# KiCad board first_keyboard.kicad_pcb (continued)
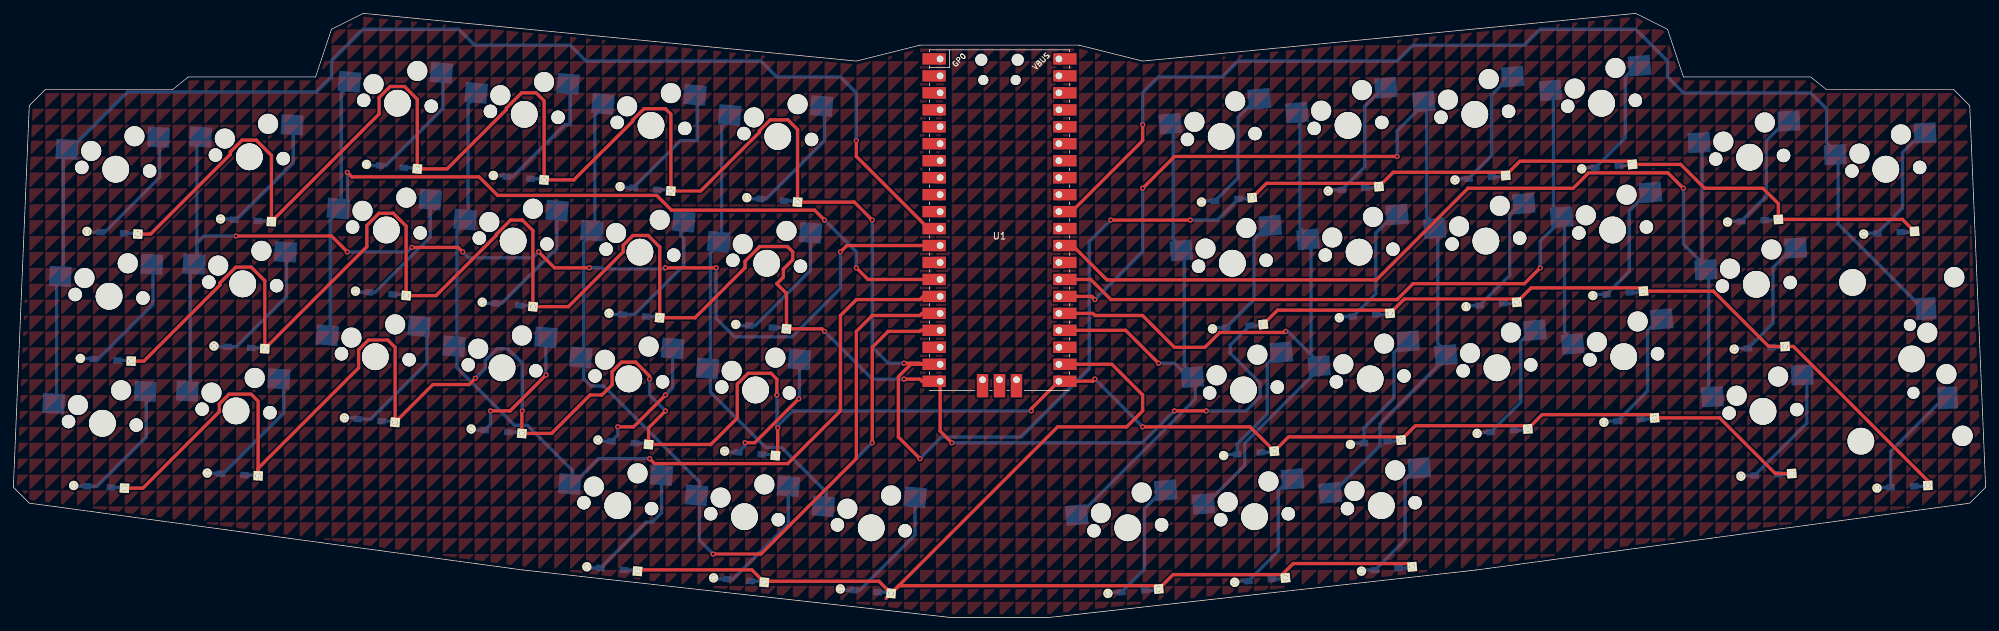
[diagram p0: board, top side]
## Copper pours and planes (outline as drawn; the poured copper is in the pictures) (continued)
(no net) on Top, Bottom: 290.51,71.44 290.51,69.06 292.89,71.44
(no net) on Top, Bottom: 169.07,4.76 169.07,2.38 171.45,4.76
(no net) on Top, Bottom: 69.06,28.57 69.06,26.19 71.44,28.57
(no net) on Top, Bottom: 104.77,-30.96 104.77,-33.34 107.16,-30.96
(no net) on Top, Bottom: 130.97,69.06 130.97,66.68 133.35,69.06
(no net) on Top, Bottom: 180.98,-33.34 180.98,-35.72 183.36,-33.34
(no net) on Top, Bottom: 240.51,114.3 240.51,111.92 242.89,114.3
(no net) on Top, Bottom: 197.64,135.73 197.64,133.35 200.02,135.73
(no net) on Top, Bottom: 119.06,80.96 119.06,78.58 121.44,80.96
(no net) on Top, Bottom: 211.93,104.78 211.93,102.39 214.31,104.78
(no net) on Top, Bottom: 266.7,45.24 266.7,42.86 269.08,45.24
(no net) on Top, Bottom: 14.29,57.15 14.29,54.77 16.67,57.15
(no net) on Top, Bottom: 123.83,9.53 123.83,7.14 126.21,9.53
(no net) on Top, Bottom: 157.16,66.68 157.16,64.29 159.54,66.68
(no net) on Top, Bottom: 252.41,69.06 252.41,66.68 254.79,69.06
(no net) on Top, Bottom: 145.26,-23.81 145.26,-26.19 147.64,-23.81
(no net) on Top, Bottom: 104.77,140.49 104.77,138.11 107.16,140.49
(no net) on Top, Bottom: 252.41,78.58 252.41,76.2 254.79,78.58
(no net) on Top, Bottom: 283.37,61.91 283.37,59.53 285.75,61.91
(no net) on Top, Bottom: 292.89,71.44 292.89,69.06 295.27,71.44
(no net) on Top, Bottom: 85.73,35.72 85.73,33.34 88.11,35.72
(no net) on Top, Bottom: 9.53,16.67 9.53,14.29 11.91,16.67
(no net) on Top, Bottom: 145.26,69.06 145.26,66.68 147.64,69.06
(no net) on Top, Bottom: 300.04,66.68 300.04,64.29 302.42,66.68
(no net) on Top, Bottom: 71.44,147.64 71.44,145.26 73.82,147.64
(no net) on Top, Bottom: 100.01,59.53 100.01,57.15 102.39,59.53
(no net) on Top, Bottom: 276.22,69.06 276.22,66.68 278.61,69.06
(no net) on Top, Bottom: 128.59,38.1 128.59,35.72 130.97,38.1
(no net) on Top, Bottom: 90.49,95.25 90.49,92.87 92.87,95.25
(no net) on Top, Bottom: 152.4,-4.76 152.4,-7.14 154.78,-4.76
(no net) on Top, Bottom: 152.4,26.19 152.4,23.81 154.78,26.19
(no net) on Top, Bottom: 157.16,0 157.16,-2.38 159.54,0
(no net) on Top, Bottom: 176.21,109.54 176.21,107.16 178.59,109.54
(no net) on Top, Bottom: 219.07,40.48 219.07,38.1 221.46,40.48
(no net) on Top, Bottom: 197.64,-23.81 197.64,-26.19 200.02,-23.81
(no net) on Top, Bottom: 166.69,0 166.69,-2.38 169.07,0
(no net) on Top, Bottom: 57.15,109.54 57.15,107.16 59.53,109.54
(no net) on Top, Bottom: 33.34,-9.53 33.34,-11.91 35.72,-9.53
(no net) on Top, Bottom: 73.82,76.2 73.82,73.82 76.2,76.2
(no net) on Top, Bottom: 97.63,64.29 97.63,61.91 100.01,64.29
(no net) on Top, Bottom: 252.41,38.1 252.41,35.72 254.79,38.1
(no net) on Top, Bottom: 173.83,42.86 173.83,40.48 176.21,42.86
(no net) on Top, Bottom: 7.14,-26.19 7.14,-28.57 9.53,-26.19
(no net) on Top, Bottom: 214.31,-26.19 214.31,-28.57 216.69,-26.19
(no net) on Top, Bottom: 245.27,114.3 245.27,111.92 247.65,114.3
(no net) on Top, Bottom: 123.83,-33.34 123.83,-35.72 126.21,-33.34
(no net) on Top, Bottom: 107.16,-23.81 107.16,-26.19 109.54,-23.81
(no net) on Top, Bottom: 69.06,85.72 69.06,83.34 71.44,85.72
(no net) on Top, Bottom: 80.96,76.2 80.96,73.82 83.34,76.2
(no net) on Top, Bottom: 0,2.38 0,0 2.38,2.38
(no net) on Top, Bottom: 173.83,80.96 173.83,78.58 176.21,80.96
(no net) on Top, Bottom: 300.04,100.01 300.04,97.63 302.42,100.01
(no net) on Top, Bottom: 71.44,66.68 71.44,64.29 73.82,66.68
(no net) on Top, Bottom: 126.21,30.96 126.21,28.57 128.59,30.96
(no net) on Top, Bottom: 69.06,7.14 69.06,4.76 71.44,7.14
(no net) on Top, Bottom: 280.99,59.53 280.99,57.15 283.37,59.53
(no net) on Top, Bottom: 254.79,66.68 254.79,64.29 257.18,66.68
(no net) on Top, Bottom: 142.88,35.72 142.88,33.34 145.26,35.72
(no net) on Top, Bottom: 152.4,19.05 152.4,16.67 154.78,19.05
(no net) on Top, Bottom: 188.12,19.05 188.12,16.67 190.5,19.05
(no net) on Top, Bottom: 109.54,-19.05 109.54,-21.43 111.92,-19.05
(no net) on Top, Bottom: 69.06,-35.72 69.06,-38.1 71.44,-35.72
(no net) on Top, Bottom: 304.8,-33.34 304.8,-35.72 307.18,-33.34
(no net) on Top, Bottom: 30.96,109.54 30.96,107.16 33.34,109.54
(no net) on Top, Bottom: 2.38,95.25 2.38,92.87 4.76,95.25
(no net) on Top, Bottom: 214.31,119.06 214.31,116.68 216.69,119.06
(no net) on Top, Bottom: 178.59,-23.81 178.59,-26.19 180.98,-23.81
(no net) on Top, Bottom: 269.08,-16.67 269.08,-19.05 271.46,-16.67
(no net) on Top, Bottom: 185.74,-19.05 185.74,-21.43 188.12,-19.05
(no net) on Top, Bottom: 235.74,114.3 235.74,111.92 238.12,114.3
(no net) on Top, Bottom: 130.97,30.96 130.97,28.57 133.35,30.96
(no net) on Top, Bottom: 66.67,78.58 66.67,76.2 69.06,78.58
(no net) on Top, Bottom: 126.21,90.49 126.21,88.11 128.59,90.49
(no net) on Top, Bottom: 73.82,45.24 73.82,42.86 76.2,45.24
(no net) on Top, Bottom: 264.32,66.68 264.32,64.29 266.7,66.68
(no net) on Top, Bottom: 207.17,-4.76 207.17,-7.14 209.55,-4.76
(no net) on Top, Bottom: 135.73,90.49 135.73,88.11 138.11,90.49
(no net) on Top, Bottom: 245.27,-26.19 245.27,-28.57 247.65,-26.19
(no net) on Top, Bottom: 280.99,-26.19 280.99,-28.57 283.37,-26.19
(no net) on Top, Bottom: 295.27,59.53 295.27,57.15 297.66,59.53
(no net) on Top, Bottom: 161.93,-2.38 161.93,-4.76 164.31,-2.38
(no net) on Top, Bottom: 30.96,-7.14 30.96,-9.53 33.34,-7.14
(no net) on Top, Bottom: 190.5,147.64 190.5,145.26 192.88,147.64
(no net) on Top, Bottom: 207.17,-33.34 207.17,-35.72 209.55,-33.34
(no net) on Top, Bottom: 73.82,2.38 73.82,0 76.2,2.38
(no net) on Top, Bottom: 250.03,100.01 250.03,97.63 252.41,100.01
(no net) on Top, Bottom: 123.83,54.77 123.83,52.39 126.21,54.77
(no net) on Top, Bottom: 123.83,71.44 123.83,69.06 126.21,71.44
(no net) on Top, Bottom: 73.82,-7.14 73.82,-9.53 76.2,-7.14
(no net) on Top, Bottom: 45.24,-38.1 45.24,-40.48 47.62,-38.1
(no net) on Top, Bottom: 223.84,114.3 223.84,111.92 226.22,114.3
(no net) on Top, Bottom: 233.36,-4.76 233.36,-7.14 235.74,-4.76
(no net) on Top, Bottom: 47.62,140.49 47.62,138.11 50.01,140.49
(no net) on Top, Bottom: 285.75,47.62 285.75,45.24 288.13,47.62
(no net) on Top, Bottom: 76.2,135.73 76.2,133.35 78.58,135.73
(no net) on Top, Bottom: 97.63,140.49 97.63,138.11 100.01,140.49
(no net) on Top, Bottom: 150.02,61.91 150.02,59.53 152.4,61.91
(no net) on Top, Bottom: 109.54,45.24 109.54,42.86 111.92,45.24
(no net) on Top, Bottom: 138.11,11.91 138.11,9.53 140.49,11.91
(no net) on Top, Bottom: 142.88,4.76 142.88,2.38 145.26,4.76
(no net) on Top, Bottom: 216.69,83.34 216.69,80.96 219.07,83.34
(no net) on Top, Bottom: 254.79,78.58 254.79,76.2 257.18,78.58
(no net) on Top, Bottom: 42.86,30.96 42.86,28.57 45.24,30.96
(no net) on Top, Bottom: 209.55,23.81 209.55,21.43 211.93,23.81
(no net) on Top, Bottom: 183.36,21.43 183.36,19.05 185.74,21.43
(no net) on Top, Bottom: 176.21,-33.34 176.21,-35.72 178.59,-33.34
(no net) on Top, Bottom: 292.89,83.34 292.89,80.96 295.27,83.34
(no net) on Top, Bottom: 259.56,14.29 259.56,11.91 261.94,14.29
(no net) on Top, Bottom: 69.06,92.87 69.06,90.49 71.44,92.87
(no net) on Top, Bottom: 266.7,-19.05 266.7,-21.43 269.08,-19.05
(no net) on Top, Bottom: 276.22,130.97 276.22,128.59 278.61,130.97
(no net) on Top, Bottom: 126.21,2.38 126.21,0 128.59,2.38
(no net) on Top, Bottom: 126.21,95.25 126.21,92.87 128.59,95.25
(no net) on Top, Bottom: 104.77,147.64 104.77,145.26 107.16,147.64
(no net) on Top, Bottom: 111.92,119.06 111.92,116.68 114.3,119.06
(no net) on Top, Bottom: 47.62,54.77 47.62,52.39 50.01,54.77
(no net) on Top, Bottom: 204.79,-2.38 204.79,-4.76 207.17,-2.38
(no net) on Top, Bottom: 202.41,97.63 202.41,95.25 204.79,97.63
(no net) on Top, Bottom: 88.11,80.96 88.11,78.58 90.49,80.96
(no net) on Top, Bottom: 195.26,42.86 195.26,40.48 197.64,42.86
(no net) on Top, Bottom: 23.81,-26.19 23.81,-28.57 26.19,-26.19
(no net) on Top, Bottom: 147.64,61.91 147.64,59.53 150.02,61.91
(no net) on Top, Bottom: 297.66,111.92 297.66,109.54 300.04,111.92
(no net) on Top, Bottom: 204.79,54.77 204.79,52.39 207.17,54.77
(no net) on Top, Bottom: 2.38,30.96 2.38,28.57 4.76,30.96
(no net) on Top, Bottom: 166.69,33.34 166.69,30.96 169.07,33.34
(no net) on Top, Bottom: 123.83,4.76 123.83,2.38 126.21,4.76
(no net) on Top, Bottom: 219.07,-14.29 219.07,-16.67 221.46,-14.29
(no net) on Top, Bottom: 85.73,111.92 85.73,109.54 88.11,111.92
(no net) on Top, Bottom: 295.27,116.68 295.27,114.3 297.66,116.68
(no net) on Top, Bottom: 35.72,59.53 35.72,57.15 38.1,59.53
(no net) on Top, Bottom: 159.54,111.92 159.54,109.54 161.93,111.92
(no net) on Top, Bottom: 116.68,85.72 116.68,83.34 119.06,85.72
(no net) on Top, Bottom: 247.65,21.43 247.65,19.05 250.03,21.43
(no net) on Top, Bottom: 207.17,23.81 207.17,21.43 209.55,23.81
(no net) on Top, Bottom: 0,73.82 0,71.44 2.38,73.82
(no net) on Top, Bottom: 2.38,45.24 2.38,42.86 4.76,45.24
(no net) on Top, Bottom: 66.67,64.29 66.67,61.91 69.06,64.29
(no net) on Top, Bottom: 57.15,28.57 57.15,26.19 59.53,28.57
(no net) on Top, Bottom: 257.18,-2.38 257.18,-4.76 259.56,-2.38
(no net) on Top, Bottom: 121.44,76.2 121.44,73.82 123.83,76.2
(no net) on Top, Bottom: 76.2,-33.34 76.2,-35.72 78.58,-33.34
(no net) on Top, Bottom: 214.31,135.73 214.31,133.35 216.69,135.73
(no net) on Top, Bottom: 116.68,109.54 116.68,107.16 119.06,109.54
(no net) on Top, Bottom: 292.89,14.29 292.89,11.91 295.27,14.29
(no net) on Top, Bottom: 166.69,61.91 166.69,59.53 169.07,61.91
(no net) on Top, Bottom: 169.07,21.43 169.07,19.05 171.45,21.43
(no net) on Top, Bottom: 161.93,150.02 161.93,147.64 164.31,150.02
(no net) on Top, Bottom: 64.29,59.53 64.29,57.15 66.67,59.53
(no net) on Top, Bottom: 57.15,123.83 57.15,121.44 59.53,123.83
(no net) on Top, Bottom: 133.35,-19.05 133.35,-21.43 135.73,-19.05
(no net) on Top, Bottom: 19.05,-23.81 19.05,-26.19 21.43,-23.81
(no net) on Top, Bottom: 188.12,-11.91 188.12,-14.29 190.5,-11.91
(no net) on Top, Bottom: 45.24,73.82 45.24,71.44 47.62,73.82
(no net) on Top, Bottom: 133.35,78.58 133.35,76.2 135.73,78.58
(no net) on Top, Bottom: 95.25,150.02 95.25,147.64 97.63,150.02
(no net) on Top, Bottom: 30.96,128.59 30.96,126.21 33.34,128.59
(no net) on Top, Bottom: 35.72,14.29 35.72,11.91 38.1,14.29
(no net) on Top, Bottom: 42.86,26.19 42.86,23.81 45.24,26.19
(no net) on Top, Bottom: 123.83,7.14 123.83,4.76 126.21,7.14
(no net) on Top, Bottom: 200.02,104.78 200.02,102.39 202.41,104.78
(no net) on Top, Bottom: 150.02,-30.96 150.02,-33.34 152.4,-30.96
(no net) on Top, Bottom: 264.32,97.63 264.32,95.25 266.7,97.63
(no net) on Top, Bottom: 257.18,40.48 257.18,38.1 259.56,40.48
(no net) on Top, Bottom: 42.86,19.05 42.86,16.67 45.24,19.05
(no net) on Top, Bottom: 297.66,23.81 297.66,21.43 300.04,23.81
(no net) on Top, Bottom: 285.75,64.29 285.75,61.91 288.13,64.29
(no net) on Top, Bottom: 273.84,97.63 273.84,95.25 276.22,97.63
(no net) on Top, Bottom: 54.77,104.78 54.77,102.39 57.15,104.78
(no net) on Top, Bottom: 145.26,9.53 145.26,7.14 147.64,9.53
(no net) on Top, Bottom: 64.29,69.06 64.29,66.68 66.67,69.06
(no net) on Top, Bottom: 30.96,66.68 30.96,64.29 33.34,66.68
(no net) on Top, Bottom: 21.43,123.83 21.43,121.44 23.81,123.83
(no net) on Top, Bottom: 276.22,16.67 276.22,14.29 278.61,16.67
(no net) on Top, Bottom: 164.31,85.72 164.31,83.34 166.69,85.72
(no net) on Top, Bottom: 126.21,80.96 126.21,78.58 128.59,80.96
(no net) on Top, Bottom: 126.21,9.53 126.21,7.14 128.59,9.53
(no net) on Top, Bottom: 285.75,-23.81 285.75,-26.19 288.13,-23.81
(no net) on Top, Bottom: 200.02,30.96 200.02,28.57 202.41,30.96
(no net) on Top, Bottom: 45.24,107.16 45.24,104.78 47.62,107.16
(no net) on Top, Bottom: 245.27,38.1 245.27,35.72 247.65,38.1
(no net) on Top, Bottom: 142.88,-30.96 142.88,-33.34 145.26,-30.96
(no net) on Top, Bottom: 207.17,28.57 207.17,26.19 209.55,28.57
(no net) on Top, Bottom: 7.14,19.05 7.14,16.67 9.53,19.05
(no net) on Top, Bottom: 252.41,73.82 252.41,71.44 254.79,73.82
(no net) on Top, Bottom: 171.45,-2.38 171.45,-4.76 173.83,-2.38
(no net) on Top, Bottom: 269.08,150.02 269.08,147.64 271.46,150.02
(no net) on Top, Bottom: 290.51,109.54 290.51,107.16 292.89,109.54
(no net) on Top, Bottom: 192.88,33.34 192.88,30.96 195.26,33.34
(no net) on Top, Bottom: 92.87,-28.57 92.87,-30.96 95.25,-28.57
(no net) on Top, Bottom: 140.49,33.34 140.49,30.96 142.88,33.34
(no net) on Top, Bottom: 4.76,7.14 4.76,4.76 7.14,7.14
(no net) on Top, Bottom: 140.49,-14.29 140.49,-16.67 142.88,-14.29
(no net) on Top, Bottom: 273.84,104.78 273.84,102.39 276.22,104.78
(no net) on Top, Bottom: 2.38,59.53 2.38,57.15 4.76,59.53
(no net) on Top, Bottom: 288.13,28.57 288.13,26.19 290.51,28.57
(no net) on Top, Bottom: 238.12,-33.34 238.12,-35.72 240.51,-33.34
(no net) on Top, Bottom: 2.38,104.78 2.38,102.39 4.76,104.78
(no net) on Top, Bottom: 21.43,119.06 21.43,116.68 23.81,119.06
(no net) on Top, Bottom: 26.19,114.3 26.19,111.92 28.58,114.3
(no net) on Top, Bottom: 61.91,14.29 61.91,11.91 64.29,14.29
(no net) on Top, Bottom: 90.49,2.38 90.49,0 92.87,2.38
(no net) on Top, Bottom: 69.06,45.24 69.06,42.86 71.44,45.24
(no net) on Top, Bottom: 221.46,38.1 221.46,35.72 223.84,38.1
(no net) on Top, Bottom: 161.93,9.53 161.93,7.14 164.31,9.53
(no net) on Top, Bottom: 45.24,-16.67 45.24,-19.05 47.62,-16.67
(no net) on Top, Bottom: 126.21,4.76 126.21,2.38 128.59,4.76
(no net) on Top, Bottom: 221.46,-7.14 221.46,-9.53 223.84,-7.14
(no net) on Top, Bottom: 133.35,-30.96 133.35,-33.34 135.73,-30.96
(no net) on Top, Bottom: 202.41,104.78 202.41,102.39 204.79,104.78
(no net) on Top, Bottom: 228.6,133.35 228.6,130.97 230.98,133.35
(no net) on Top, Bottom: 214.31,121.44 214.31,119.06 216.69,121.44
(no net) on Top, Bottom: 140.49,-38.1 140.49,-40.48 142.88,-38.1
(no net) on Top, Bottom: 116.68,52.39 116.68,50.01 119.06,52.39
(no net) on Top, Bottom: 47.62,119.06 47.62,116.68 50.01,119.06
(no net) on Top, Bottom: 219.07,21.43 219.07,19.05 221.46,21.43
(no net) on Top, Bottom: 9.53,-35.72 9.53,-38.1 11.91,-35.72
(no net) on Top, Bottom: 38.1,52.39 38.1,50.01 40.48,52.39
(no net) on Top, Bottom: 142.88,40.48 142.88,38.1 145.26,40.48
(no net) on Top, Bottom: 119.06,-38.1 119.06,-40.48 121.44,-38.1
(no net) on Top, Bottom: 300.04,121.44 300.04,119.06 302.42,121.44
(no net) on Top, Bottom: 102.39,59.53 102.39,57.15 104.77,59.53
(no net) on Top, Bottom: 161.93,80.96 161.93,78.58 164.31,80.96
(no net) on Top, Bottom: 121.44,138.11 121.44,135.73 123.83,138.11
(no net) on Top, Bottom: 216.69,4.76 216.69,2.38 219.07,4.76
(no net) on Top, Bottom: 185.74,88.11 185.74,85.72 188.12,88.11
(no net) on Top, Bottom: 290.51,-2.38 290.51,-4.76 292.89,-2.38
(no net) on Top, Bottom: 45.24,116.68 45.24,114.3 47.62,116.68
(no net) on Top, Bottom: 85.73,95.25 85.73,92.87 88.11,95.25
(no net) on Top, Bottom: 145.26,145.26 145.26,142.88 147.64,145.26
(no net) on Top, Bottom: 238.12,121.44 238.12,119.06 240.51,121.44
(no net) on Top, Bottom: 209.55,42.86 209.55,40.48 211.93,42.86
(no net) on Top, Bottom: 190.5,42.86 190.5,40.48 192.88,42.86
(no net) on Top, Bottom: 150.02,116.68 150.02,114.3 152.4,116.68
(no net) on Top, Bottom: 150.02,66.68 150.02,64.29 152.4,66.68
(no net) on Top, Bottom: 147.64,7.14 147.64,4.76 150.02,7.14
(no net) on Top, Bottom: 278.61,107.16 278.61,104.78 280.99,107.16
(no net) on Top, Bottom: 128.59,-7.14 128.59,-9.53 130.97,-7.14
(no net) on Top, Bottom: 226.22,38.1 226.22,35.72 228.6,38.1
(no net) on Top, Bottom: 26.19,-19.05 26.19,-21.43 28.58,-19.05
(no net) on Top, Bottom: 111.92,123.83 111.92,121.44 114.3,123.83
(no net) on Top, Bottom: 245.27,90.49 245.27,88.11 247.65,90.49
(no net) on Top, Bottom: 223.84,30.96 223.84,28.57 226.22,30.96
(no net) on Top, Bottom: 135.73,107.16 135.73,104.78 138.11,107.16
(no net) on Top, Bottom: 80.96,40.48 80.96,38.1 83.34,40.48
(no net) on Top, Bottom: 54.77,2.38 54.77,0 57.15,2.38
(no net) on Top, Bottom: 297.66,-4.76 297.66,-7.14 300.04,-4.76
(no net) on Top, Bottom: 92.87,83.34 92.87,80.96 95.25,83.34
(no net) on Top, Bottom: 73.82,97.63 73.82,95.25 76.2,97.63
(no net) on Top, Bottom: 230.98,-26.19 230.98,-28.57 233.36,-26.19
(no net) on Top, Bottom: 157.16,54.77 157.16,52.39 159.54,54.77
(no net) on Top, Bottom: 242.89,104.78 242.89,102.39 245.27,104.78
(no net) on Top, Bottom: 126.21,69.06 126.21,66.68 128.59,69.06
(no net) on Top, Bottom: 230.98,35.72 230.98,33.34 233.36,35.72
(no net) on Top, Bottom: 297.66,11.91 297.66,9.53 300.04,11.91
(no net) on Top, Bottom: 159.54,-7.14 159.54,-9.53 161.93,-7.14
(no net) on Top, Bottom: 95.25,64.29 95.25,61.91 97.63,64.29
(no net) on Top, Bottom: 233.36,-33.34 233.36,-35.72 235.74,-33.34
(no net) on Top, Bottom: 214.31,102.39 214.31,100.01 216.69,102.39
(no net) on Top, Bottom: 102.39,114.3 102.39,111.92 104.77,114.3
(no net) on Top, Bottom: 211.93,38.1 211.93,35.72 214.31,38.1
(no net) on Top, Bottom: 273.84,-33.34 273.84,-35.72 276.22,-33.34
(no net) on Top, Bottom: 278.61,-2.38 278.61,-4.76 280.99,-2.38
(no net) on Top, Bottom: 104.77,92.87 104.77,90.49 107.16,92.87
(no net) on Top, Bottom: 152.4,61.91 152.4,59.53 154.78,61.91
(no net) on Top, Bottom: 226.22,28.57 226.22,26.19 228.6,28.57
(no net) on Top, Bottom: 202.41,-9.53 202.41,-11.91 204.79,-9.53
(no net) on Top, Bottom: 109.54,123.83 109.54,121.44 111.92,123.83
(no net) on Top, Bottom: 9.53,19.05 9.53,16.67 11.91,19.05
(no net) on Top, Bottom: 264.32,85.72 264.32,83.34 266.7,85.72
(no net) on Top, Bottom: 142.88,54.77 142.88,52.39 145.26,54.77
(no net) on Top, Bottom: 230.98,-4.76 230.98,-7.14 233.36,-4.76
(no net) on Top, Bottom: 164.31,-23.81 164.31,-26.19 166.69,-23.81
(no net) on Top, Bottom: 50.01,-38.1 50.01,-40.48 52.39,-38.1
(no net) on Top, Bottom: 109.54,80.96 109.54,78.58 111.92,80.96
(no net) on Top, Bottom: 223.84,123.83 223.84,121.44 226.22,123.83
(no net) on Top, Bottom: 295.27,11.91 295.27,9.53 297.66,11.91
(no net) on Top, Bottom: 211.93,-16.67 211.93,-19.05 214.31,-16.67
(no net) on Top, Bottom: 202.41,83.34 202.41,80.96 204.79,83.34
(no net) on Top, Bottom: 204.79,-21.43 204.79,-23.81 207.17,-21.43
(no net) on Top, Bottom: 185.74,119.06 185.74,116.68 188.12,119.06
(no net) on Top, Bottom: 185.74,-28.57 185.74,-30.96 188.12,-28.57
(no net) on Top, Bottom: 104.77,97.63 104.77,95.25 107.16,97.63
(no net) on Top, Bottom: 176.21,88.11 176.21,85.72 178.59,88.11
(no net) on Top, Bottom: 202.41,7.14 202.41,4.76 204.79,7.14
(no net) on Top, Bottom: 261.94,-7.14 261.94,-9.53 264.32,-7.14
(no net) on Top, Bottom: 223.84,100.01 223.84,97.63 226.22,100.01
(no net) on Top, Bottom: 119.06,66.68 119.06,64.29 121.44,66.68
(no net) on Top, Bottom: 292.89,-28.57 292.89,-30.96 295.27,-28.57
(no net) on Top, Bottom: 176.21,121.44 176.21,119.06 178.59,121.44
(no net) on Top, Bottom: 159.54,104.78 159.54,102.39 161.93,104.78
(no net) on Top, Bottom: 35.72,-4.76 35.72,-7.14 38.1,-4.76
(no net) on Top, Bottom: 59.53,111.92 59.53,109.54 61.91,111.92
(no net) on Top, Bottom: 238.12,133.35 238.12,130.97 240.51,133.35
(no net) on Top, Bottom: 59.53,69.06 59.53,66.68 61.91,69.06
(no net) on Top, Bottom: 59.53,-21.43 59.53,-23.81 61.91,-21.43
(no net) on Top, Bottom: 185.74,66.68 185.74,64.29 188.12,66.68
(no net) on Top, Bottom: 169.07,-19.05 169.07,-21.43 171.45,-19.05
(no net) on Top, Bottom: 83.34,92.87 83.34,90.49 85.73,92.87
(no net) on Top, Bottom: 121.44,52.39 121.44,50.01 123.83,52.39
(no net) on Top, Bottom: 147.64,145.26 147.64,142.88 150.02,145.26
(no net) on Top, Bottom: 135.73,138.11 135.73,135.73 138.11,138.11
(no net) on Top, Bottom: 295.27,26.19 295.27,23.81 297.66,26.19
(no net) on Top, Bottom: 261.94,-35.72 261.94,-38.1 264.32,-35.72
(no net) on Top, Bottom: 66.67,52.39 66.67,50.01 69.06,52.39
(no net) on Top, Bottom: 107.16,50.01 107.16,47.62 109.54,50.01
(no net) on Top, Bottom: 202.41,111.92 202.41,109.54 204.79,111.92
(no net) on Top, Bottom: 2.38,57.15 2.38,54.77 4.76,57.15
(no net) on Top, Bottom: 202.41,138.11 202.41,135.73 204.79,138.11
(no net) on Top, Bottom: 19.05,4.76 19.05,2.38 21.43,4.76
(no net) on Top, Bottom: 228.6,71.44 228.6,69.06 230.98,71.44
(no net) on Top, Bottom: 59.53,0 59.53,-2.38 61.91,0
(no net) on Top, Bottom: 19.05,40.48 19.05,38.1 21.43,40.48
(no net) on Top, Bottom: 26.19,-21.43 26.19,-23.81 28.58,-21.43
(no net) on Top, Bottom: 54.77,11.91 54.77,9.53 57.15,11.91
(no net) on Top, Bottom: 190.5,66.68 190.5,64.29 192.88,66.68
(no net) on Top, Bottom: 111.92,38.1 111.92,35.72 114.3,38.1
(no net) on Top, Bottom: 202.41,107.16 202.41,104.78 204.79,107.16
(no net) on Top, Bottom: 202.41,33.34 202.41,30.96 204.79,33.34
(no net) on Top, Bottom: 285.75,66.68 285.75,64.29 288.13,66.68
(no net) on Top, Bottom: 219.07,16.67 219.07,14.29 221.46,16.67
(no net) on Top, Bottom: 107.16,21.43 107.16,19.05 109.54,21.43
(no net) on Top, Bottom: 178.59,-38.1 178.59,-40.48 180.98,-38.1
(no net) on Top, Bottom: 92.87,2.38 92.87,0 95.25,2.38
(no net) on Top, Bottom: 195.26,23.81 195.26,21.43 197.64,23.81
(no net) on Top, Bottom: 161.93,128.59 161.93,126.21 164.31,128.59
(no net) on Top, Bottom: 188.12,42.86 188.12,40.48 190.5,42.86
(no net) on Top, Bottom: 66.67,138.11 66.67,135.73 69.06,138.11
(no net) on Top, Bottom: 228.6,92.87 228.6,90.49 230.98,92.87
(no net) on Top, Bottom: 259.56,42.86 259.56,40.48 261.94,42.86
(no net) on Top, Bottom: 135.73,23.81 135.73,21.43 138.11,23.81
(no net) on Top, Bottom: 47.62,26.19 47.62,23.81 50.01,26.19
(no net) on Top, Bottom: 97.63,-11.91 97.63,-14.29 100.01,-11.91
(no net) on Top, Bottom: 278.61,83.34 278.61,80.96 280.99,83.34
(no net) on Top, Bottom: 109.54,142.88 109.54,140.49 111.92,142.88
(no net) on Top, Bottom: 285.75,80.96 285.75,78.58 288.13,80.96
(no net) on Top, Bottom: 271.46,54.77 271.46,52.39 273.84,54.77
(no net) on Top, Bottom: 254.79,47.62 254.79,45.24 257.18,47.62
(no net) on Top, Bottom: 288.13,38.1 288.13,35.72 290.51,38.1
(no net) on Top, Bottom: 2.38,-19.05 2.38,-21.43 4.76,-19.05
(no net) on Top, Bottom: 195.26,-28.57 195.26,-30.96 197.64,-28.57
(no net) on Top, Bottom: 147.64,11.91 147.64,9.53 150.02,11.91
(no net) on Top, Bottom: 204.79,123.83 204.79,121.44 207.17,123.83
(no net) on Top, Bottom: 97.63,85.72 97.63,83.34 100.01,85.72
(no net) on Top, Bottom: 145.26,38.1 145.26,35.72 147.64,38.1
(no net) on Top, Bottom: 273.84,-28.57 273.84,-30.96 276.22,-28.57
(no net) on Top, Bottom: 185.74,14.29 185.74,11.91 188.12,14.29
(no net) on Top, Bottom: 50.01,121.44 50.01,119.06 52.39,121.44
(no net) on Top, Bottom: 19.05,78.58 19.05,76.2 21.43,78.58
(no net) on Top, Bottom: 128.59,76.2 128.59,73.82 130.97,76.2
(no net) on Top, Bottom: 202.41,38.1 202.41,35.72 204.79,38.1
(no net) on Top, Bottom: 28.58,111.92 28.58,109.54 30.96,111.92
(no net) on Top, Bottom: 138.11,30.96 138.11,28.57 140.49,30.96
(no net) on Top, Bottom: 92.87,47.62 92.87,45.24 95.25,47.62
(no net) on Top, Bottom: 238.12,-14.29 238.12,-16.67 240.51,-14.29
(no net) on Top, Bottom: 157.16,35.72 157.16,33.34 159.54,35.72
(no net) on Top, Bottom: 61.91,11.91 61.91,9.53 64.29,11.91
(no net) on Top, Bottom: 230.98,135.73 230.98,133.35 233.36,135.73
(no net) on Top, Bottom: 261.94,52.39 261.94,50.01 264.32,52.39
(no net) on Top, Bottom: 128.59,61.91 128.59,59.53 130.97,61.91
(no net) on Top, Bottom: 54.77,7.14 54.77,4.76 57.15,7.14
(no net) on Top, Bottom: 33.34,90.49 33.34,88.11 35.72,90.49
(no net) on Top, Bottom: 283.37,14.29 283.37,11.91 285.75,14.29
(no net) on Top, Bottom: 161.93,90.49 161.93,88.11 164.31,90.49
(no net) on Top, Bottom: 26.19,26.19 26.19,23.81 28.58,26.19
(no net) on Top, Bottom: 135.73,-26.19 135.73,-28.57 138.11,-26.19
(no net) on Top, Bottom: 40.48,50.01 40.48,47.62 42.86,50.01
(no net) on Top, Bottom: 152.4,-21.43 152.4,-23.81 154.78,-21.43
(no net) on Top, Bottom: 161.93,138.11 161.93,135.73 164.31,138.11
(no net) on Top, Bottom: 142.88,80.96 142.88,78.58 145.26,80.96
(no net) on Top, Bottom: 183.36,-2.38 183.36,-4.76 185.74,-2.38
(no net) on Top, Bottom: 176.21,142.88 176.21,140.49 178.59,142.88
(no net) on Top, Bottom: 235.74,111.92 235.74,109.54 238.12,111.92
(no net) on Top, Bottom: 80.96,7.14 80.96,4.76 83.34,7.14
(no net) on Top, Bottom: 38.1,23.81 38.1,21.43 40.48,23.81
(no net) on Top, Bottom: 2.38,-23.81 2.38,-26.19 4.76,-23.81
(no net) on Top, Bottom: 230.98,111.92 230.98,109.54 233.36,111.92
(no net) on Top, Bottom: 61.91,97.63 61.91,95.25 64.29,97.63
(no net) on Top, Bottom: 26.19,30.96 26.19,28.57 28.58,30.96
(no net) on Top, Bottom: 52.39,66.68 52.39,64.29 54.77,66.68
(no net) on Top, Bottom: 123.83,-23.81 123.83,-26.19 126.21,-23.81
(no net) on Top, Bottom: 288.13,-38.1 288.13,-40.48 290.51,-38.1
(no net) on Top, Bottom: 295.27,126.21 295.27,123.83 297.66,126.21
(no net) on Top, Bottom: 240.51,-21.43 240.51,-23.81 242.89,-21.43
(no net) on Top, Bottom: 50.01,26.19 50.01,23.81 52.39,26.19
(no net) on Top, Bottom: 54.77,69.06 54.77,66.68 57.15,69.06
(no net) on Top, Bottom: 216.69,80.96 216.69,78.58 219.07,80.96
(no net) on Top, Bottom: 157.16,23.81 157.16,21.43 159.54,23.81
(no net) on Top, Bottom: 273.84,14.29 273.84,11.91 276.22,14.29
(no net) on Top, Bottom: 233.36,35.72 233.36,33.34 235.74,35.72
(no net) on Top, Bottom: 35.72,135.73 35.72,133.35 38.1,135.73
(no net) on Top, Bottom: 2.38,33.34 2.38,30.96 4.76,33.34